# Altium PCB Length Bar Comparator.PcbDoc (part 3 of 6)
Units mm, origin at the board's own origin, x right, y up, seen from the top; angles counter-clockwise.
Board outline 299.85 x 245.49 mm, 4 copper layers (Top Layer, Internal Plane 1, Internal Plane 2, Bottom Layer), stack 0.778 mm thick; 462 components, 376 nets, 1824 pads, 805 vias.
Unrouted connection lines stored in the file: 8.
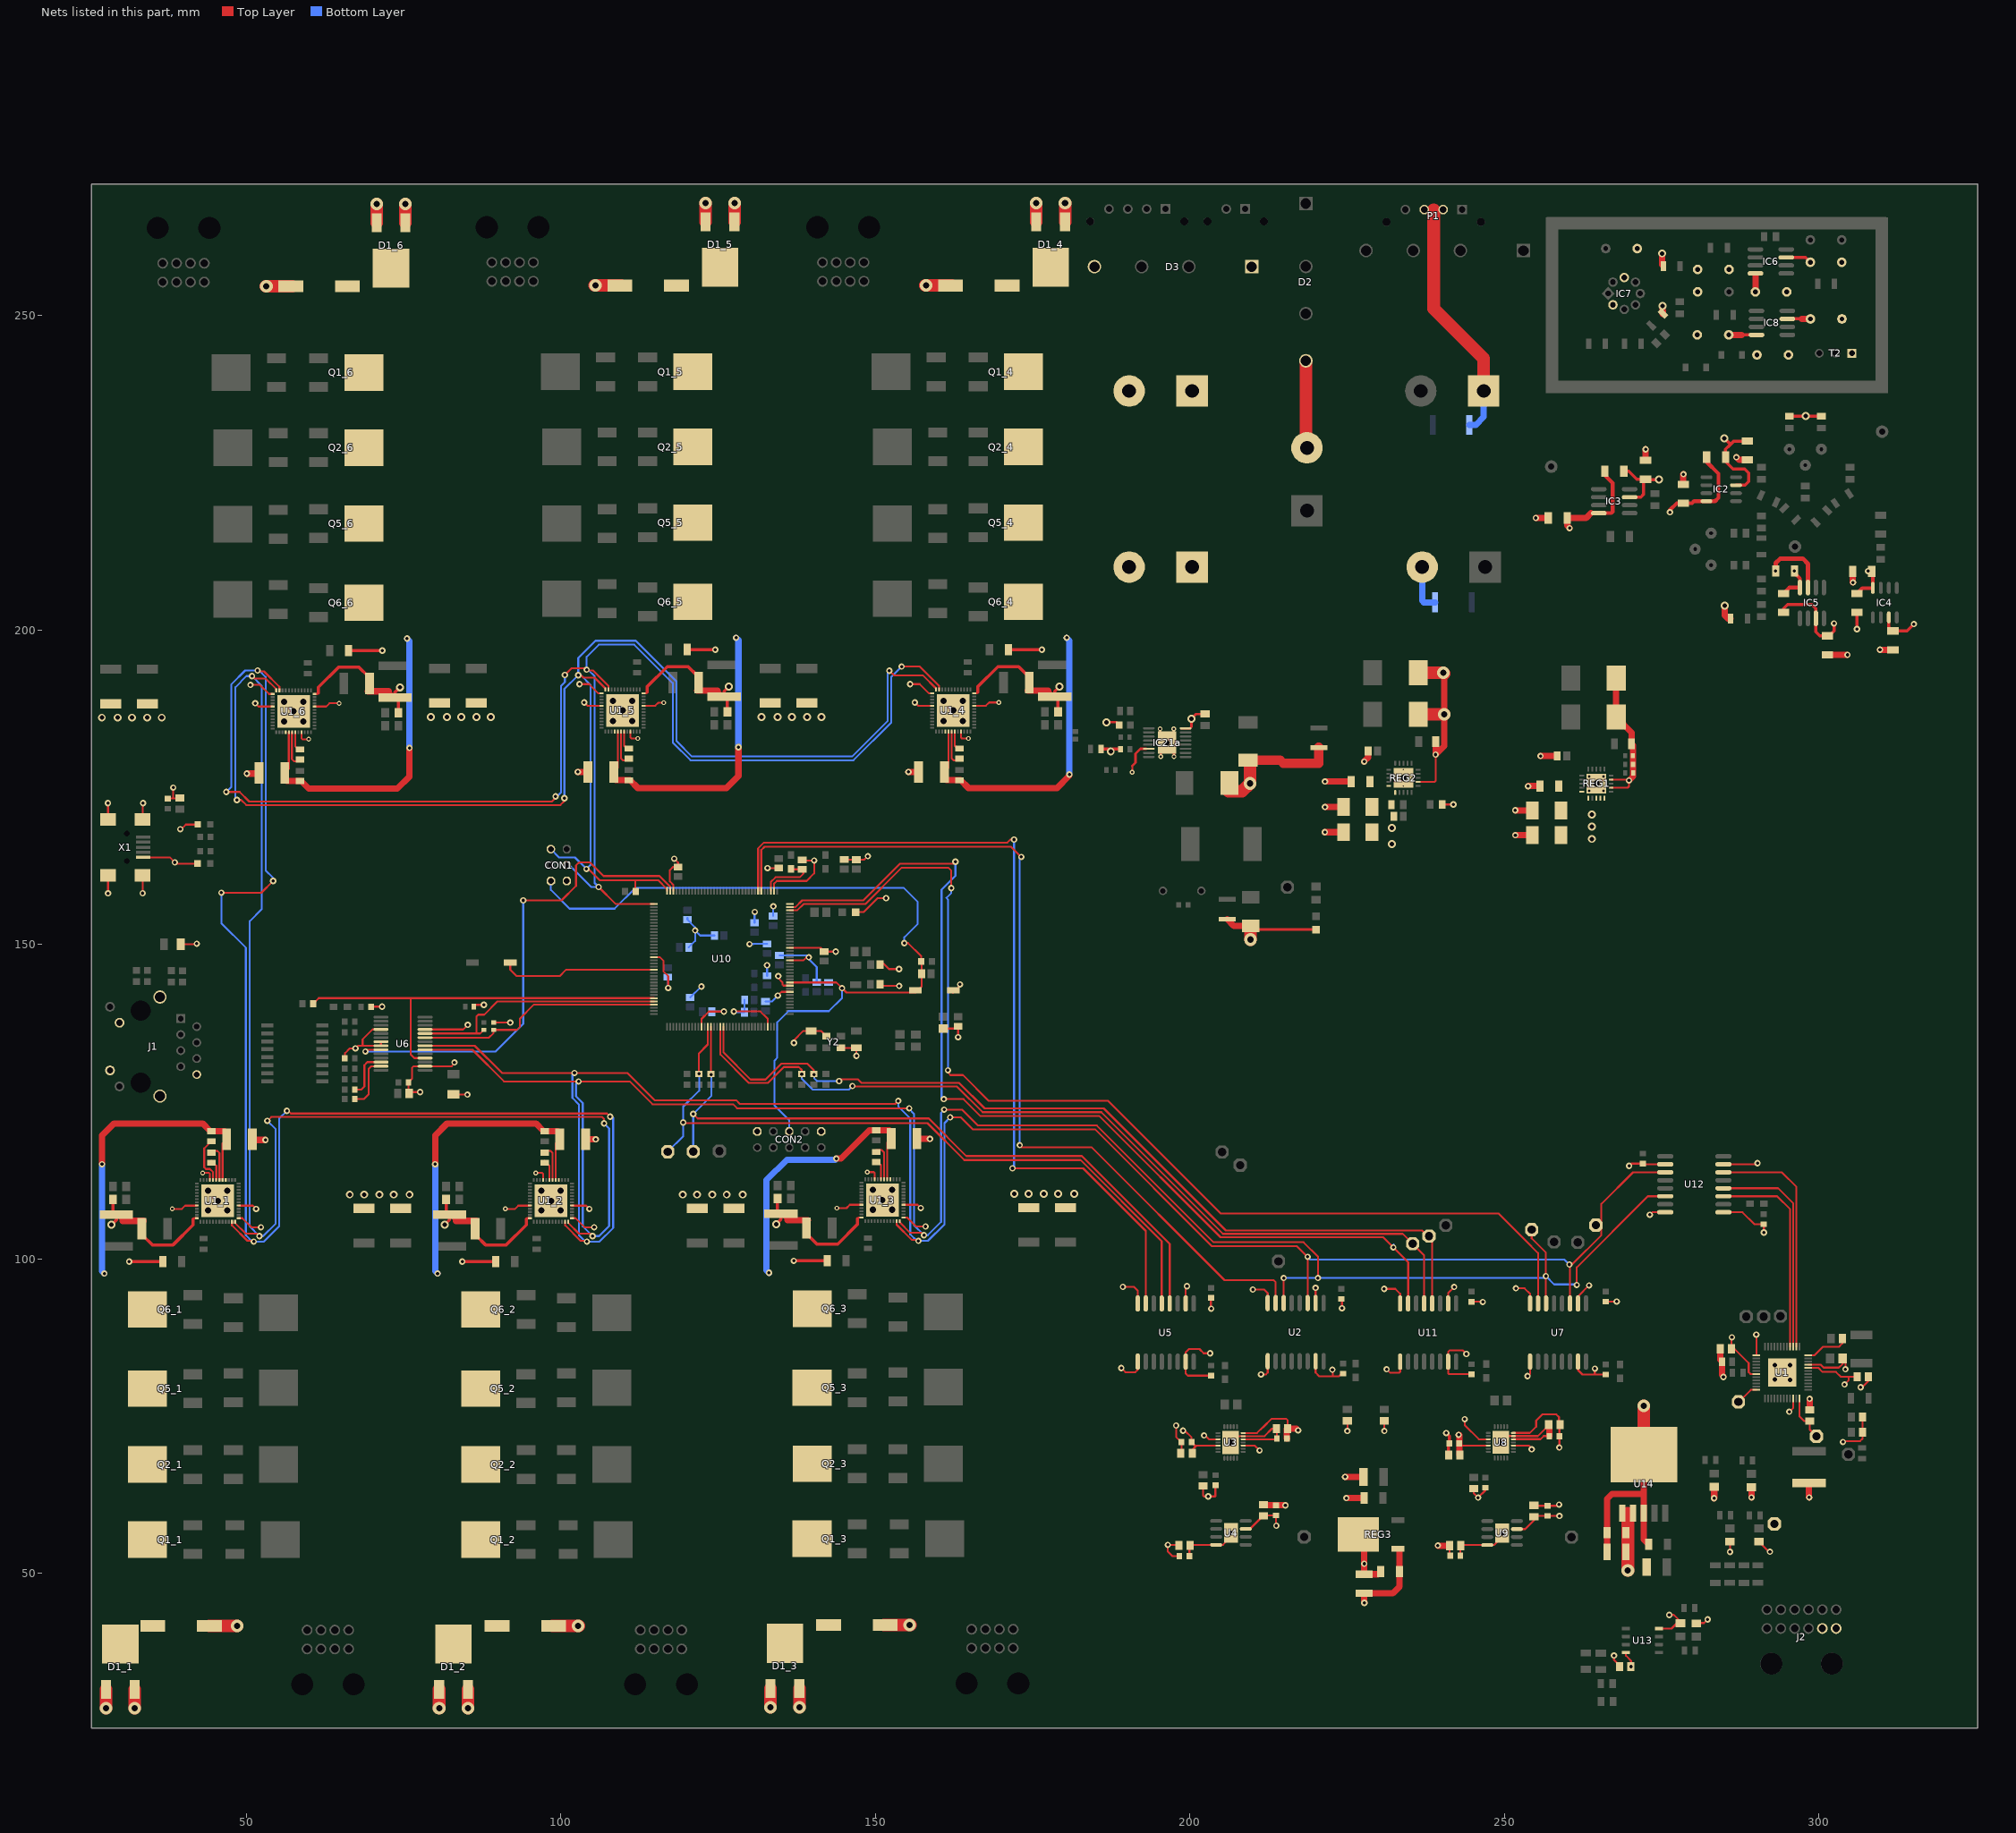
[diagram p5: the nets of this part, all layers, seen from the top]

## Via types
v1: diameter 1.016, hole 0.508, Top Layer to Bottom Layer, 512 vias
v2: diameter 1.27, hole 0.711, Top Layer to Bottom Layer, 194 vias
v3: diameter 1.5, hole 1, Top Layer to Bottom Layer, 31 vias
v4: diameter 2, hole 1, Top Layer to Bottom Layer, 24 vias
v5: diameter 0.762, hole 0.381, Top Layer to Bottom Layer, 20 vias
v6: diameter 1, hole 0.7, Top Layer to Bottom Layer, 6 vias
v7: diameter 1.27, hole 0.7, Top Layer to Bottom Layer, 6 vias
v8: diameter 3, hole 2, Top Layer to Bottom Layer, 4 vias
v9: diameter 0.5, hole 0.2, Top Layer to Bottom Layer, 4 vias
v10: diameter 1.4, hole 1, Top Layer to Bottom Layer, 2 vias
v11: diameter 1, hole 0.5, Top Layer to Bottom Layer, 1 vias
v12: diameter 1, hole 0.75, Top Layer to Bottom Layer, 1 vias

## Nets (pads, with @x,y where several pads share a name; then routed paths per layer and width w, separated by ;. In a path a pad name is that pad's centre, name@x,y a point inside that pad or via, vN(x,y) a via of type N, cw(c..) or ccw(c..) an arc to the next point about the centre after c; other vN are vias at no path point) (continued)
+15VA: C7.1 C8.2 C32.2 C33.1 C60.1 C61.2 C70.2 C71.1 C78.2 C80.2 C85.2 C87.2 C88.1 C89.1 C111.1 C112.1 C113.2 C129.2 C134.1 C135.1 C136.1 C137.1 C138.2 C139.2 C140.2 C141.2 C147.2 C148.2 C151.1 C152.1 IC2.7 IC3.7 IC4.7 IC5.7 IC6.7 IC8.7 R2.2 REG1.1 REG1.3 REG1.20 REG3.1 T2.1 TP22.TP U1.20 U1.43 U3.3 U3.5 U4.7 U8.3 U8.5 U9.7 U13.8 U14.1 U14.2 | length 143.6
  Top Layer w0.3: v1(243.662,74.524) 243.662,73.584 245.916,71.33 U8.3@247.419,71.33 ; U13.8@269.291,37.414 269.291,36.906 270.089,36.108 v1(270.089,35.179) ; R2.2@280.467,42.046 280.534,42.113 281.711,42.113 v1(282.27,42.672)
  Top Layer w0.305: v1(198.882,72.695) 199.161,72.695 200.241,71.615 C33.1@200.241,70.866 200.792,70.315 200.998,70.315 ; C32.2@200.241,69.088 200.241,69.558 200.998,70.315 ; v1(202.235,71.933) 202.387,71.933 203.005,71.315 U3.3@204.451,71.315 ; U3.5@204.451,70.315 200.998,70.315 ; U4.7@208.852,57.074 209.55,57.074 211.684,59.207 211.684,59.22 C7.1@213.69,59.22 213.69,57.607 v1(213.716,57.582) ; REG3.1@233.053,53.905 REG3.1@233.3,53.658 ; C71.1@242.811,70.637 243.119,70.33 U8.5@247.419,70.33 ; U9.7@251.956,57.048 253.289,57.048 254.66,58.42 254.66,59.119 254.686,59.144 C60.1@256.845,59.144 258.712,59.144 v1(258.724,59.131) ; v1(286.131,87.528) 286.066,87.463 C85.2@286.066,85.7 286.537,85.7 288.798,83.439 288.798,81.991 289.111,81.678 U1.43@290.02,81.678 ; U1.20@298.27,82.678 299.872,82.678 300.521,82.03 302.68,82.03 303.442,81.268 304.673,81.268 ; v1(304.038,80.035) 304.673,80.67 304.673,81.268 ; C78.2@306.022,81.268 304.673,81.268
  Top Layer w0.5: C138.2@268.962,225.247 269.748,225.247 271.045,223.95 C134.1@272.415,223.95 272.059,223.595 272.059,221.513 271.653,221.107 IC3.7@269.872,221.107 ; C134.1@272.39,223.901 v2(274.523,223.901) ; v2(284.937,230.48) 285.813,229.603 285.813,229.4 ; IC2.7@286.79,223.012 288.239,223.012 288.823,223.596 288.823,224.942 288.163,225.603 286.334,225.603 285.116,226.821 C141.2@285.116,227.482 285.116,228.703 285.813,229.4 ; C137.1@288.569,230.024 288.543,229.997 286.41,229.997 285.813,229.4 ; C140.2@294.335,202.792 294.335,203.378 294.996,204.038 298.856,204.038 299.491,203.403 IC5.7@299.491,201.842 299.491,199.695 300.125,199.061 C136.1@301.295,199.061 301.576,199.061 302.362,199.847 v1(302.362,201.041) ; IC6.7@294.779,259.232 297.83,259.232 C147.2@298.592,258.47 ; IC8.7@294.946,249.453 297.195,249.453 ; v1(306.019,200.127) C139.2@306.019,202.792 ; IC4.7@311.074,201.993 311.074,200.508 C135.1@311.734,199.847 313.969,199.847 v1(315.062,200.939)
  Top Layer w1: v1(227.711,45.314) 227.686,45.339 C112.1@227.686,46.862 232.256,46.862 233.324,47.93 233.324,50.268 C129.2@233.3,50.292 REG3.1@233.3,53.658 ; v1(242.697,72.034) 242.773,71.958 242.811,71.996 C71.1@242.811,70.637 C70.2@242.811,68.834 ; 297.195,249.453 C148.2@298.632,249.453
  Top Layer w2: 269.545,59.588 269.596,59.538 v4(269.596,50.495)
  other v2: 263.855,166.776 263.855,168.707 263.855,170.637
-15VA: C1.2 C2.1 C9.1 C10.2 C55.2 C56.1 C62.1 C63.2 C102.2 C103.2 C107.1 C108.2 C138.1 C139.1 C140.1 C141.1 C142.2 C143.2 C144.2 C145.2 C151.2 C152.2 C153.1 C154.1 IC2.4 IC3.4 IC4.4 IC5.4 IC6.4 IC8.4 R58.2 REG2.1 REG2.20 U3.17 U3.18 U3.25 U4.4 U4.9 U8.17 U8.18 U8.25 U9.4 U9.9 | length 102.5
  Top Layer w0.254: C153.1@289.829,253.771 C153.1@289.879,253.821
  Top Layer w0.305: C1.2@199.911,52.73 199.911,54.534 U4.4@204.152,54.534 205.257,54.534 206.502,55.778 U4.9@206.502,56.439 ; v10(206.451,70.815) 207.451,71.815 U3.18@208.451,71.815 211.845,71.815 213.03,73 213.83,73 213.805,72.974 C9.1@213.805,71.45 213.67,71.315 U3.17@208.451,71.315 ; C55.2@242.964,52.781 242.964,54.407 243.065,54.508 U9.4@247.256,54.508 248.336,54.508 249.606,55.778 U9.9@249.606,56.413 ; v10(249.419,70.83) 250.419,71.83 U8.18@251.419,71.83 255.281,71.83 C63.2@257.062,73.61 ; U8.17@251.419,71.33 255.708,71.33 256.21,71.831 C62.1@257.112,71.831 ; C63.2@257.012,73.66 C63.2@257.062,73.61 ; C63.2@257.112,73.56 C63.2@257.062,73.61 ; C63.2@257.112,73.66 C63.2@257.062,73.61
  Top Layer w0.5: IC3.4@263.739,218.567 IC3.4@264.972,218.567 ; 287.67,246.913 IC8.4@290.046,246.913
  Top Layer w0.6: IC3.4@264.972,218.567 266.954,218.567 267.183,218.796 267.183,223.368 265.962,224.588 C138.1@265.962,225.247 ; v1(276.276,218.719) 276.276,219.075 277.367,220.166 C145.2@278.409,220.166 279.805,220.166 280.111,220.472 IC2.4@282.09,220.472 283.464,220.472 283.997,221.005 283.997,224.841 282.116,226.722 C141.1@282.116,227.482 ; C140.1@294.335,205.792 295.285,206.742 IC5.4@296.951,206.742 296.951,208.178 296.037,209.093 v1(296.037,209.372) 296.115,209.372 C143.2@296.089,209.398 ; C139.1@306.019,205.792 306.856,206.629 308.47,206.629 IC4.4@308.534,206.693 C144.2@308.534,209.094 ; v1(307.772,209.347) 308.332,209.347 C144.2@308.357,209.321
  Top Layer w1: C62.1@257.112,71.831 C63.2@257.112,73.56 ; C142.2@259.945,217.805 259.945,216.61 260.325,216.23 v1(260.325,216.179) ; C142.2@260.096,217.805 262.977,217.805 IC3.4@263.739,218.567 ; C154.1@285.638,246.913 287.67,246.913 ; C153.1@289.879,253.821 IC6.4@289.879,256.565
  other v2: 232.054,165.989 232.08,168.529
  other v6: 249.631,56.388 206.451,56.413
AGND: C1.1 C2.2 C7.2 C8.1 C9.2 C10.1 C11.2 C13.1 C14.2 C31.1 C32.1 C33.2 C35.1 C46.2 C55.1 C56.2 C58.1 C59.1 C60.2 C61.1 C62.2 C63.1 C65.2 C67.1 C68.2 C70.1 C71.2 C72.2 C78.1 C79.2 C80.1 C81.1 C82.1 C83.1 C84.1 C85.1 C86.1 C87.1 C88.2 C89.2 C93.1 C94.2 C95.2 C96.2 C97.1 C98.2 C99.1 C100.1 C101.1 C102.1 C103.1 C107.2 C109.1 C111.2 C112.2 C113.1 C127.1 C128.2 C129.1 C130.1 C131.2 C134.2 C135.2 C136.2 C137.2 C142.1 C143.1 C144.1 C145.1 C147.1 C148.1 C149.1 C150.1 C153.2 C154.2 IC5.3 IC7.2 IC7.7 J2.7 J2.8 P1.P$2 P1.P$3 R4.1 R17.1 R20.1 R42.1 R44.1 R53.1 R54.1 R55.1 R56.1 R57.2 R59.1 R64.2 R65.2 R79.1 R88.1 R89.1 REG1.4 REG1.5 REG1.7 REG1.9 REG2.7 REG2.21 REG3.4 TP19.TP U1.0 U1.10 U1.21 U1.24 U1.37 U1.48 U2.9 U2.15 U3.15 U3.19 U5.9 U5.15 U7.9 U7.15 U8.15 U8.19 U11.9 U11.15 U12.9 U12.15 U13.4 U14.3 U14.6 | length 408.2
  Top Layer w0.254: R88.1@275.057,258.034 R88.1@275.256,257.835
  Top Layer w0.3: U3.19@208.451,72.315 210.644,72.315 211.557,73.228 211.607,73.228 212.979,74.6 215.265,74.6 215.53,74.335 C10.1@215.53,73 ; v1@224.638,65.329 224.688,65.329 v1(224.663,65.354) ; v1(225.019,72.644) C59.1@225.019,74.259 ; v1(230.886,72.644) C58.1@230.886,74.259 ; REG2.7@236.26,175.819 238.836,175.819 239.039,176.022 v1(239.039,180.188) ; U8.19@251.419,72.33 254.016,72.33 255.016,73.33 255.016,74.295 255.981,75.26 258.242,75.26 258.648,74.854 258.648,73.823 C63.1@258.812,73.66 ; v1(295.25,75.692) 295.895,76.338 U1.10@295.895,77.803 ; v1(298.501,77.749) v1@298.514,77.736
  Top Layer w0.305: v1(189.078,82.652) 189.738,81.991 191.313,81.991 191.694,82.372 U5.9@191.694,83.665 ; v1(197.79,73.508) 197.79,71.717 C33.2@198.641,70.866 C32.1@198.641,69.088 ; C2.2@198.211,54.534 v1(196.469,54.534) 196.469,53.442 197.18,52.73 C1.1@198.311,52.73 ; C13.1@202.082,63.895 202.082,62.382 202.235,62.23 v1(202.895,62.23) 203.962,62.23 204.038,62.306 C14.2@204.038,64.021 ; C13.1@202.082,63.995 C13.1@202.108,64.021 ; v1(203.2,84.988) 202.184,84.988 201.498,85.674 199.822,85.674 199.314,85.166 U5.15@199.314,83.665 199.314,81.763 199.644,81.433 C46.2@203.327,81.433 ; U3.15@208.451,70.315 210.279,70.315 v1(211.049,69.545) ; v1(211.277,81.636) 212.065,81.636 212.344,81.915 U2.9@212.344,83.718 ; v1@215.151,60.82 v1(215.163,60.808) ; C10.1@215.405,72.974 C10.1@215.43,73 ; v1@216.941,73 v1(217.195,72.746) ; U2.15@219.964,83.718 219.964,81.915 220.548,81.331 222.707,81.331 ; v1(222.631,82.372) 222.707,82.296 222.707,81.331 ; C11.2@224.079,81.75 223.66,81.331 222.707,81.331 ; v1(231.242,82.448) 231.775,81.915 233.248,81.915 233.401,82.067 U11.9@233.401,83.665 ; v1(239.395,54.432) v1@239.42,54.407 ; R59.1@240.066,172.263 v1(241.859,172.263) ; C71.2@241.111,70.537 C71.2@241.211,70.637 ; C56.2@241.264,54.407 241.264,52.881 C55.1@241.364,52.781 ; v1(243.916,84.887) 243.332,85.471 241.3,85.471 241.021,85.192 U11.15@241.021,83.665 241.021,81.788 241.147,81.661 C72.2@244.754,81.661 ; C67.1@245.085,63.464 245.085,62.763 v1(245.796,62.052) 246.939,63.195 C68.2@246.939,63.614 C68.2@246.888,63.564 ; U8.15@251.419,70.33 253.85,70.33 254.305,69.875 v1(254.305,69.723) ; v1(253.644,81.356) 254.051,81.763 U7.9@254.051,83.665 ; C61.1@254.66,60.719 254.686,60.744 C60.2@256.845,60.744 258.483,60.744 v1(258.674,60.935) ; v1(258.699,70.002) 258.699,69.697 258.712,69.685 C62.2@258.712,71.831 C63.1@258.712,73.66 ; U7.15@261.671,83.665 261.671,82.321 262.382,81.61 264.338,81.61 ; v1(264.363,82.55) 264.338,82.525 264.338,81.61 ; C65.2@266.09,81.61 264.338,81.61 ; REG1.7@266.917,174.915 269.555,174.915 269.773,175.133 v1(269.773,176.073) 269.631,176.215 REG1.9@266.917,176.215 ; v1(267.386,36.932) 267.386,36.246 268.289,35.342 C80.1@268.289,35.179 ; U13.4@274.541,41.224 276.53,41.224 277.377,42.071 R4.1@277.952,42.071 277.774,42.249 277.774,42.52 276.911,43.383 v1(276.174,43.383) ; U12.9@284.787,107.417 287.807,107.417 289.725,105.499 C79.2@291.211,105.499 v1(291.211,104.191) ; U12.15@284.787,115.037 290.017,115.037 v1(290.195,115.214) ; v1(285.826,53.416) 285.84,53.43 R20.1@285.84,55.047 ; TP19.TP@287.134,77.178 289.135,79.178 U1.48@290.02,79.178 ; U1.37@290.02,84.678 v1@290.02,88.008 ; R44.1@290.412,55.047 292.017,53.442 v1(292.176,53.442) ; U1.21@298.27,83.178 300.261,83.178 300.724,82.716 303.137,82.716 303.731,83.309 C84.1@303.731,84.189 303.797,84.256 304.178,83.875 v1(304.178,82.462) ; U1.24@298.27,84.678 299.258,84.678 300.597,86.018 303.162,86.018 303.681,86.537 C83.1@303.681,86.805 ; v1(303.784,70.891) 303.936,71.044 306.527,71.044 306.907,71.424 C81.1@306.907,72.429 C35.1@306.907,74.867 ; v1(306.603,79.578) 306.832,79.578 307.822,80.568 C78.1@307.822,81.268
  Top Layer w0.5: v1(240.716,72.314) 241.211,71.818 C71.2@241.211,70.637 ; C70.1@241.111,68.834 C71.2@241.111,70.537 ; R65.2@295.275,233.995 v2(297.876,233.995) R64.2@300.355,233.995
  Top Layer w0.7: v1(293.089,209.398) 293.089,210.615 293.827,211.353 297.383,211.353 298.221,210.515 IC5.3@298.221,206.742
  Top Layer w1: C8.1@211.684,60.82 C7.2@213.69,60.82 v1@215.151,60.82 ; C10.1@215.405,72.974 C9.2@215.405,71.45 C9.2@215.414,71.45 ; C10.1@215.53,73 v1@216.941,73 ; v1(221.437,167.843) C103.1@224.42,167.843 ; v1(221.463,171.856) C102.1@224.42,171.856 ; v1(221.463,175.895) 221.717,175.895 C107.2@225.627,175.895 ; v1@224.638,65.329 C131.2@227.559,65.329 ; v1@224.917,61.976 C130.1@227.684,61.976 ; REG3.4@226.753,56.185 227.686,55.252 v1(227.686,51.537) C112.2@227.686,49.862 229.87,49.862 C129.1@230.3,50.292 ; v1(227.686,179.07) 227.686,179.095 228.307,179.717 C98.2@228.307,180.772 ; C109.1@239.043,182.27 239.043,180.191 240.411,181.559 v4(240.411,186.588) v4@240.411,193.065 ; v1@239.42,54.407 C56.2@241.264,54.407 ; v1(251.689,171.323) 251.714,171.298 C88.2@254.442,171.298 ; v1(251.714,167.361) 251.739,167.386 C89.2@254.442,167.386 ; v1(253.746,175.158) 253.771,175.184 C87.1@255.624,175.184 ; v1(254.965,217.805) C142.1@256.945,217.805 ; v1(255.702,179.959) C93.1@258.381,179.959 ; C111.2@266.292,53.416 266.292,56.488 C113.1@266.294,56.49 266.294,61.849 267.081,62.636 272.136,62.636 ; C95.2@267.744,192.329 C96.2@267.744,186.131 270.184,183.692 C97.1@270.184,181.915 270.424,181.675 R55.1@270.424,177.267 270.424,176.723 v1(269.773,176.073) ; U14.6@272.136,68.885 272.136,62.636 ; C134.2@272.415,226.95 v1(272.415,228.727) ; C127.1@272.922,54.61 272.136,55.396 U14.3@272.136,59.535 272.136,62.636 ; R88.1@275.057,258.034 v2(275.057,259.867) ; v2(275.097,251.485) R89.1@275.145,250.263 ; C145.1@278.409,223.166 278.409,224.739 v1(278.435,224.765) ; v1(283.312,61.951) 283.325,61.964 R17.1@283.325,63.759 ; C85.1@284.266,85.7 284.266,83.971 C31.1@284.569,83.668 284.569,81.547 284.785,81.331 v1(284.785,81.229) ; v2(284.988,203.835) 284.988,202.311 285.496,201.803 R79.1@285.949,201.803 ; v1(286.842,227.457) 287.275,227.024 C137.2@288.569,227.024 ; R42.1@289.243,63.708 289.243,62.09 v1(289.255,62.078) ; C82.1@298.387,64.341 298.387,62.115 v1(298.425,62.078) ; C86.1@298.514,76.021 v1@298.514,77.736 ; C136.2@301.295,196.061 304.471,196.061 v1(304.495,196.037) ; C144.1@305.357,209.321 305.357,207.57 v1(305.384,207.543) ; v1(309.677,196.85) 309.68,196.847 C135.2@311.734,196.847
  Top Layer w2: C101.1@236.255,186.588 v4(240.411,186.588) ; C100.1@236.255,193.192 v4(240.284,193.192) v4@240.411,193.065 ; 238.735,266.827 238.735,251.104 246.681,243.158 C99.1@246.681,238 ; U14.6@272.136,68.885 v4(272.136,76.632)
  Bottom Layer w0.305: v1(245.796,62.052) v1@245.821,62.027 ; v1@276.098,43.307 v1(276.174,43.383)
  Bottom Layer w1: C94.2@236.906,210 236.906,204.622 237.134,204.394 R56.1@238.959,204.394 ; R57.2@244.378,232.613 245.44,232.613 246.681,233.854 C99.1@246.681,238
  other v1: 224.841,61.976 290.017,87.96
  other v3: 233.92,176.484
  other v6: 295.351,80.772 292.964,80.823 292.964,83.109 295.351,83.134
  other v9: 233.92,175.159 232.595,176.484 235.245,176.484 233.92,177.809
AVDD: C86.2 TP23.TP U1.12 | length 7.7
  Top Layer w0.305: U1.12@296.895,77.803 296.895,74.937 297.611,74.221 C86.2@298.514,74.221 298.514,72.861 TP23.TP@299.581,71.794
AVREF: C27.1 L4.2 U10.75 | length 9.7
  Top Layer w0.305: U10.75@133.353,158.501 133.353,159.921 134.112,160.68 137.973,160.68 138.538,161.245 138.532,161.251 C27.1@138.532,161.937 ; L4.2@136.55,161.993 136.607,161.937 C27.1@138.354,161.937
CLR1*: R48.1 TP9.TP U5.4 U10.15 | length 114.8
  Top Layer w0.305: v1(121.031,123.038) 121.742,122.326 158.471,122.326 164.44,116.357 182.804,116.357 196.774,102.387 U5.4@196.774,92.915 ; U10.15@123.853,136.901 123.85,136.898 R48.1@123.85,129.374 v1(123.901,129.323)
  Bottom Layer w0.305: TP9.TP@121.031,117.069 v1(121.031,123.038) 123.901,125.908 v1(123.901,129.323)
CLR2*: R9.1 TP13.TP U10.19 U11.4 | length 141.7
  Top Layer w0.305: U10.19@125.853,136.901 125.853,132.821 130.15,128.524 132.512,128.524 135.039,131.051 139.154,131.051 140.208,129.997 R9.1@140.208,129.374 v1(140.259,129.323) ; v1@144.501,128.549 147.218,128.549 147.777,127.991 163.297,127.991 167.361,123.927 186.284,123.927 205.689,104.521 236.88,104.521 238.481,102.921 U11.4@238.481,92.915
  Bottom Layer w0.305: v1(140.259,129.323) 140.259,128.727 140.716,128.27 v1(144.221,128.27)
DAC1_CS1: U2.7 U10.78 | length 147.7
  Top Layer w0.305: U10.78@131.853,158.501 131.853,165 132.385,165.532 171.552,165.532 v1(173.177,163.906) ; v1(172.923,118.085) 173.279,117.729 184.379,117.729 205.486,96.622 213.284,96.622 213.614,96.291 U2.7@213.614,92.968
  Bottom Layer w0.305: v1(172.923,118.085) 172.923,163.652 v1(173.177,163.906)
DAC1_CS2: U5.7 U10.79 | length 137.2
  Top Layer w0.305: U10.79@131.353,158.501 131.353,165.262 132.283,166.192 170.967,166.192 171.45,166.675 v1(172.034,166.675) ; v1(171.78,114.402) 183.007,114.402 192.964,104.445 U5.7@192.964,92.915
  Bottom Layer w0.305: v1(171.78,114.402) 172.034,114.656 v1(172.034,166.675)
DAC2_CS1: U7.7 U10.70 | length 174.9
  Top Layer w0.305: U10.70@136.403,155.451 137.595,155.451 138.557,156.413 148.387,156.413 154.178,162.204 161.569,162.204 162.052,161.722 v1(162.052,158.953) ; v1(161.519,129.997) 161.519,129.642 161.925,129.235 163.906,129.235 167.996,125.146 186.969,125.146 204.902,107.213 249.047,107.213 253.289,102.972 255.321,100.94 U7.7@255.321,92.915
  Bottom Layer w0.305: v1(161.519,129.997) 161.519,157.15 161.265,157.404 162.052,158.191 v1(162.052,158.953)
DAC2_CS2: U10.71 U11.7 | length 159.9
  Top Layer w0.305: U10.71@136.403,155.951 137.307,155.951 138.354,156.997 148.057,156.997 153.899,162.839 162.408,162.839 v1(162.712,163.144) ; v1(160.858,125.4) 164.008,125.4 166.7,122.707 185.598,122.707 204.851,103.454 230.683,103.454 v1(232.308,101.829) 234.671,99.466 U11.7@234.671,92.915
  Bottom Layer w0.305: v1(160.858,125.4) 160.604,125.654 160.503,125.654 160.503,158.699 162.712,160.909 v1(162.712,163.144) ; v1(232.308,101.829) 232.105,102.032 v1@232.359,102.286
DGND: C3.1 C4.2 C5_1.1 C5_2.1 C5_3.1 C5_4.1 C5_5.1 C5_6.1 C6_1.1 C6_2.1 C6_3.1 C6_4.1 C6_5.1 C6_6.1 C7_1.1 C7_2.1 C7_3.1 C7_4.1 C7_5.1 C7_6.1 C12.2 C15.2 C16.2 C17.2 C18.2 C19.2 C20.2 C21.2 C22.2 C23.2 C24.2 C25.2 C26.2 C27.2 C29.2 C30.2 C37.2 C38.2 C39.2 C40.2 C41.2 C42.2 C43.2 C44.2 C45.2 C47.2 C48.2 C49.2 C50.2 C51.2 C52.1 C53.2 C54.2 C64.1 C66.2 C73.2 C103a.1 C110.2 C114.2 C137a.1 C140a.1 C142a.1 C144a.2 C145a.1 CON1.6 CON2.2 CON2.10 D2.4 D8a.2 HEARTBEAT1.C IC21a.8 IC21a.14 IC21a.17 J1.10 J1.11 J1.S1 J1.S2 LD3.2 R4_1.1 R4_2.1 R4_3.1 R4_4.1 R4_5.1 R4_6.1 R13.1 R25.1 R30.1 R106a.1 R107a.1 RESET1.P$1 U1_1.12 U1_1.25 U1_1.40 U1_1.45 U1_1.49 U1_2.12 U1_2.25 U1_2.40 U1_2.45 U1_2.49 U1_3.12 U1_3.25 U1_3.40 U1_3.45 U1_3.49 U1_4.12 U1_4.25 U1_4.40 U1_4.45 U1_4.49 U1_5.12 U1_5.25 U1_5.40 U1_5.45 U1_5.49 U1_6.12 U1_6.25 U1_6.40 U1_6.45 U1_6.49 U2.2 U2.8 U5.2 U5.8 U6.2 U6.11 U6.18 U6.21 U6.22 U7.2 U7.8 U10.12 U10.33 U10.44 U10.46 U10.54 U10.58 U10.74 U10.106 U10.126 U11.2 U11.8 U12.2 U12.8 X1.5 X1.6 X1.7 X1.8 X1.9 Y2.2 Y2.4 Z1.2 Z2.2 | length 529.1
  Top Layer w0.254: v5(190.821,177.373) 190.821,178.389
  Top Layer w0.305: v1(27.991,172.466) 28.013,172.443 X1.8@28.013,169.896 ; X1.9@28.013,160.996 28.013,158.118 v1(28.016,158.115) ; v1(33.503,158.14) 33.513,158.151 X1.7@33.513,160.996 ; X1.6@33.513,169.896 33.513,172.401 v1(33.579,172.466) ; X1.5@33.613,163.846 37.83,163.846 v1(38.633,163.043) 38.837,162.839 Z1.2@42.51,162.839 ; C4.2@37.516,173.19 38.379,173.19 ; v1(38.379,174.93) 38.379,173.19 ; C3.1@39.446,173.19 38.379,173.19 ; v1(39.497,168.326) 39.573,168.25 40.386,169.062 Z2.2@42.282,169.062 ; 41.529,106.299 41.7,106.47 U1_1.12@42.131,106.47 ; v5(43.053,113.665) 44.069,113.665 44.216,113.518 U1_1.45@44.216,112.555 ; U1_1.25@48.801,106.47 49.359,106.47 50.8,105.029 v1(52.324,105.029) ; v1(50.646,191.262) 52.17,191.262 53.611,189.821 U1_6.25@54.169,189.821 ; U1_6.45@58.754,183.736 58.754,182.773 58.901,182.626 v5(59.917,182.626) ; U1_6.12@60.839,189.821 61.27,189.821 61.441,189.992 ; C53.2@65.646,131.902 65.684,131.94 65.684,132.715 66.446,133.477 v1(67.335,133.477) 67.747,133.889 68.478,133.889 ; C54.2@69.837,140.106 v1(71.577,140.106) ; U6.21@71.405,134.539 U6.22@71.405,133.889 68.478,133.889 ; U6.18@71.405,136.489 70.068,136.489 68.478,134.899 68.478,133.889 ; v1(77.622,126.517) 75.755,126.517 75.781,126.543 C51.2@75.781,128.067 76.327,128.613 76.327,130.353 76.613,130.639 U6.2@78.405,130.639 82.633,130.639 83.083,131.089 v1(83.083,131.242) ; U6.11@78.405,136.489 84.469,136.489 v1(85.192,137.211) ; C64.1@82.931,126.137 85.166,126.137 v1(85.14,126.111) ; R30.1@86.182,140.106 86.462,140.386 v1(87.757,140.386) ; R25.1@89.306,137.608 91.907,137.608 v1(91.948,137.566) ; 94.488,106.299 94.659,106.47 U1_2.12@95.09,106.47 ; v5(96.012,113.665) 97.028,113.665 97.175,113.518 U1_2.45@97.175,112.555 ; U1_2.25@101.76,106.47 102.318,106.47 103.759,105.029 v1(105.283,105.029) ; v1(102.945,191.389) 104.469,191.389 105.91,189.948 U1_5.25@106.468,189.948 ; U1_5.45@111.053,183.863 111.053,182.9 111.2,182.753 v5(112.216,182.753) ; U1_5.12@113.138,189.948 113.569,189.948 113.74,190.119 ; U10.126@114.803,147.951 115.752,147.951 116.281,147.422 116.281,145.745 117.043,144.983 v1(117.043,143.078) ; U10.106@117.853,158.501 117.853,159.49 117.323,160.02 117.323,161.823 117.793,162.294 C16.2@118.618,162.294 118.618,163.017 v1(118.008,163.627) ; U10.12@122.353,136.901 122.353,138.152 123.52,139.319 v1(125.908,139.319) ; v1(127.483,139.319) 127.508,139.344 131.724,139.344 132.853,138.216 U10.33@132.853,136.901 ; v1(132.842,162.128) 132.854,162.14 C26.2@134.62,162.14 C26.2@135.038,162.14 ; U10.74@133.853,158.501 133.853,159.634 134.315,160.096 139.065,160.096 140.259,161.29 v1(140.259,163.347) C27.2@138.278,163.347 ; v1(134.468,141.859) 135.06,142.451 U10.44@136.403,142.451 ; v1(134.544,144.958) 134.544,144.653 135.204,143.993 135.204,143.637 135.39,143.451 U10.46@136.403,143.451 ; U10.54@136.403,147.451 138.51,147.451 139.014,147.955 v1(139.395,147.955) ; U10.58@136.403,149.451 141.265,149.451 C18.2@141.859,148.857 v1(143.688,148.857) ; v1(137.033,134.341) 137.033,134.747 138.535,136.249 C44.2@139.776,136.249 141.351,136.249 Y2.2@142.207,135.393 ; Y2.4@144.508,133.543 146.958,133.543 C45.2@146.964,133.549 v1(146.964,132.283) ; C24.2@145.034,163.488 146.939,163.488 C25.2@146.964,163.462 148.222,163.462 v1(148.793,164.033) ; HEARTBEAT1.C@146.846,155.143 148.133,155.143 150.343,157.353 v1(151.689,157.353) ; 147.168,106.426 147.339,106.597 U1_3.12@147.77,106.597 ; v5(148.692,113.792) 149.708,113.792 149.855,113.645 U1_3.45@149.855,112.682 ; C49.2@150.712,143.434 153.746,143.434 v1(153.772,143.408) ; C48.2@150.737,146.787 150.94,146.99 151.118,146.812 151.27,146.964 152.159,146.075 v1(153.746,146.075) ; U1_3.25@154.44,106.597 154.998,106.597 156.439,105.156 v1(157.963,105.156) ; v1(155.498,191.389) 157.022,191.389 158.463,189.948 U1_4.25@159.021,189.948 ; R13.1@160.782,136.616 162.766,136.616 C50.2@163.144,136.994 v1(163.144,135.255) ; RESET1.P$1@162.309,142.291 163.449,143.431 v1(163.449,143.637) ; U1_4.45@163.606,183.863 163.606,182.9 163.753,182.753 v5(164.769,182.753) ; U1_4.12@165.691,189.948 166.122,189.948 166.293,190.119 ; v1(189.332,95.555) 191.11,95.555 191.694,94.971 U5.8@191.694,92.915 ; U5.2@199.314,92.915 199.314,95.453 v1(199.517,95.656) ; C47.2@203.327,93.79 203.327,92.126 v1(203.378,92.075) ; v1(209.982,95.123) 211.785,95.123 212.344,94.564 U2.8@212.344,92.968 ; C114.2@218.415,229.126 C114.2@218.592,228.948 ; U2.2@219.964,92.968 v1(219.964,95.402) ; C12.2@224.079,93.637 224.155,93.561 v1(224.155,92.151) ; v1(230.861,95.225) 232.639,95.225 233.401,94.463 U11.8@233.401,92.915 ; U11.2@241.021,92.915 241.021,94.564 v1(241.986,95.529) ; C73.2@244.754,93.193 246.482,93.193 v1(246.532,93.142) ; v1(251.79,95.326) 253.187,95.326 254.051,94.463 U7.8@254.051,92.915 ; U7.2@261.671,92.915 261.671,94.031 v1(263.423,95.783) ; C66.2@266.09,93.218 v1(267.818,93.218) ; v1(269.799,114.783) 270.167,115.151 C110.2@272.009,115.151 272.123,115.037 U12.2@275.537,115.037 ; v1(273.075,107.01) 273.482,107.417 U12.8@275.537,107.417